# Altium PCB HIVE_SIGHT.PcbDoc (part 2 of 4) (continued)
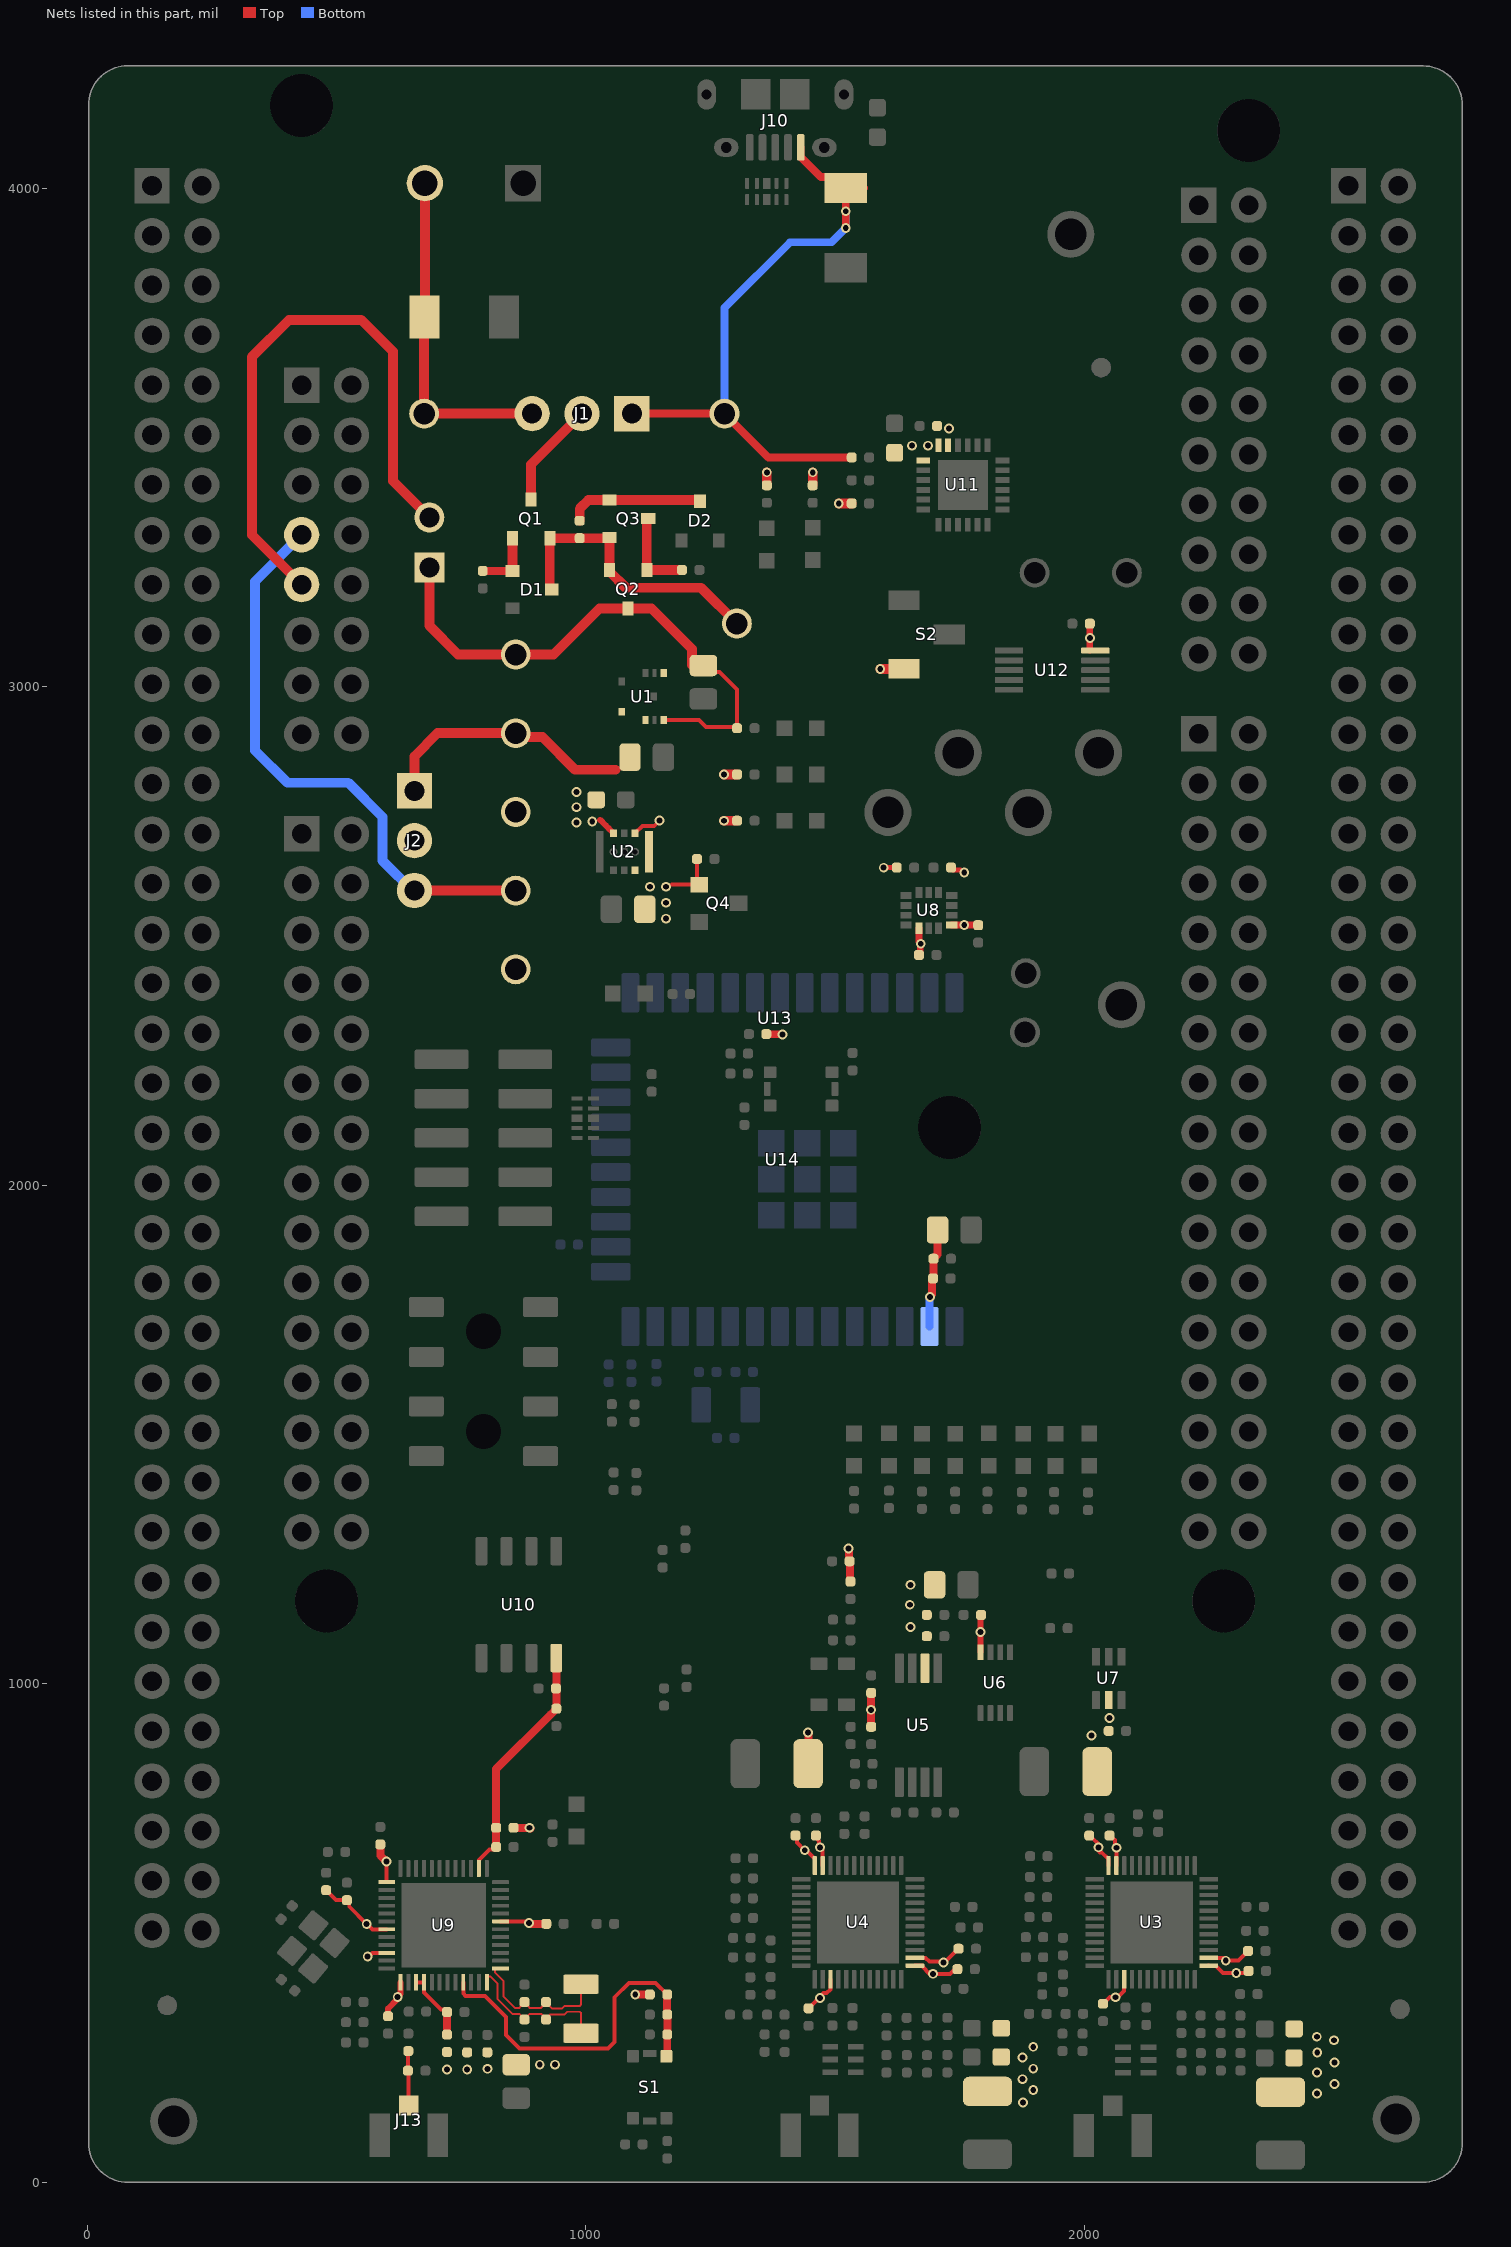
[diagram p4: the nets of this part, all layers, seen from the top]
## Part data (continued)
Q4: library part TRX_NMOS_BSS138LT1G, "TRX - NMOS - 50V 200MA - SOT−23-3", Current Rating=200mA, Manufacturer #1="ON Semiconductor", Package=SOT-23-3, Power Max=225mW, Supplier Part Number 1=BSS138LT1GOSCT-ND, Temperature="-55°C ~ 150°C", Voltage Rating=50V, Assembly Type=SMD, CreatedBy/Date="Joel Lemay 2018-06-15", GRAMS Lib Spec=2.8, HelpURL=http://www.onsemi.com/pub/Collateral/BSS138LT1-D.PDF, Magnetic Material=Unknown, Part Number #1=BSS138LT1G, Polarized=Yes, Supplier 1=Digi-Key, VerifiedBy="Caroline Paulin - 6 sept 2018"
R1 R4 R5 R27 R28 R38 R40 R46: library part RES_RC0402FR-071KL, "RES - 1K OHM 1% 1/16W - 0402", Manufacturer #1=Yageo, Package=0402, Power Max=1/16W, Supplier Part Number 1=311-1.00KLRCT-ND, Temperature="-55°C ~ 155°C", Tolerance=1%, Voltage Rating=50V, Assembly Type=SMD, CreatedBy/Date="Jonathan Bouchard 2018-07-05", Cryo=UNKNOWN, GRAMS Lib Spec=2.8, HelpURL=http://www.yageo.com/documents/recent/PYu-RC_Group_51_RoHS_L_9.pdf, Magnetic Material=YES, Part Number #1=RC0402FR-071KL, Polarized=NO, Supplier 1=Digi-Key, VerifiedBy="Arnaud Samson 16-07-18"
R2: library part RES_ERJ-2RKF4020X, "RES - 402R 1% 1/10W - 0402", Manufacturer #1="Panasonic Electronic Components", Package=0402, Power Max=1/10W, Supplier Part Number 1=P402LCT-ND, Temperature="-55°C ~ 155°C", Tolerance=1%, Voltage Rating=50V, Assembly Type=SMD, CreatedBy/Date="Keven Deslandes 2018-09-20", GRAMS Lib Spec=2.8, HelpURL=https://industrial.panasonic.com/ww/products/resistors/chip-resistors/general-purpose-chip-resistors/precision-thick-film-chip-resistors/ERJ2RKF4020X, Magnetic Material=Unknown, Part Number #1=ERJ-2RKF4020X, Polarized=No, Supplier 1=Digi-Key, VerifiedBy="Caroline Paulin - 18/12/2018"
R3 R6 R8 R9 R11 R13 R15 R16 R18 R20 R30 R39 R43 R44 R47 R53: library part RES_RC0402FR-07150RL, "RES - 150R 1% 1/16W - 0402", Manufacturer #1=Yageo, Package=0402, Power Max=1/16W, Supplier Part Number 1=311-150LRCT-ND, Temperature="-55°C ~ 155°C", Tolerance=1%, Voltage Rating=50V, Assembly Type=SMD, CreatedBy/Date="Jonathan Bouchard 2019-03-25", Cryo=UNKNOWN, GRAMS Lib Spec=2.8, HelpURL=http://www.yageo.com/documents/recent/PYu-RC_Group_51_RoHS_L_10.pdf, Magnetic Material=Unknown, Part Number #1=RC0402FR-07150RL, Polarized=No, Supplier 1=Digi-Key, VerifiedBy="Nicolas V. (2019-05-02)"
R7 R25 R32 R35 R37 R41 R45 R52: library part RES_RC0402FR-0710KL, "RES - 10K OHMS 1% 1/16W - 0402", Manufacturer #1=Yageo, Package=0402, Power Max=1/16W, Supplier Part Number 1=311-10.0KLRCT-ND, Temperature="-55°C ~ 155°C", Tolerance=1%, Voltage Rating=50V, Assembly Type=SMD, CreatedBy/Date="Nicolas V. (2018-11-20)", Cryo=UNKNOWN, GRAMS Lib Spec=2.8, HelpURL=http://www.yageo.com/documents/recent/PYu-RC_Group_51_RoHS_L_9.pdf, Magnetic Material=UNKNOWN, Part Number #1=RC0402FR-0710KL, Polarized=NO, Supplier 1=Digi-Key, VerifiedBy="Nicolas V. (2018-11-20)"
R10 R17: library part RES_RC0402FR-0716KL, "RES - 16k OHM 1% 1/16W - 0402", Manufacturer #1=Yageo, Package=0402, Power Max=1/16W, Supplier Part Number 1=311-16.0KLRCT-ND, Temperature="-55°C ~ 155°C", Tolerance=1%, Voltage Rating=50V, Assembly Type=SMD, CreatedBy/Date="Nicolas Roy/18 oct. 2018", Cryo=UNKNOWN, GRAMS Lib Spec=2.8, HelpURL=http://www.yageo.com/documents/recent/PYu-RC_Group_51_RoHS_L_9.pdf, Magnetic Material=Unknown, Part Number #1=RC0402FR-0716KL, Polarized=NO, Supplier 1=Digi-Key, VerifiedBy="Caroline Paulin - 18/12/2018"
R12 R19: library part RES_RC0402FR-07270RL, "RES - 270R 1% 1/16W - 0402", Manufacturer #1=Yageo, Package=0402, Power Max=1/16W, Supplier Part Number 1=311-270LRCT-ND, Temperature="-55°C ~ 155°C", Tolerance=1%, Voltage Rating=50V, Assembly Type=SMD, CreatedBy/Date="Philippe Arsenault 2020-07-24", GRAMS Lib Spec=2.8c, HelpURL=https://www.yageo.com/upload/media/product/productsearch/datasheet/rchip/PYu-RC_Group_51_RoHS_L_10.pdf, Magnetic Material=Unknown, Part Number #1=RC0402FR-07270RL, Polarized=No, Supplier 1=Digi-Key, VerifiedBy="Louis-Daniel Gaulin / 03-10-2020"
R14 R21: library part RES_RC0402FR-0711KL, "RES - 11K 1% 1/16W - 0402", Manufacturer #1=Yageo, Package=0402, Power Max=1/16W, Supplier Part Number 1=311-11.0KLRCT-ND, Temperature="-55°C ~ 155°C", Tolerance=1%, Voltage Rating=50V, Assembly Type=SMD, CreatedBy/Date="Keven Deslandes 2018-10-15", Cryo=UNKNOWN, GRAMS Lib Spec=2.8, HelpURL=http://www.yageo.com/documents/recent/PYu-RC_Group_51_RoHS_L_9.pdf, Magnetic Material=Unknown, Part Number #1=RC0402FR-0711KL, Polarized=No, Supplier 1=Digi-Key, VerifiedBy="Carolilne Paulin - 18/12/2018"
R22 R24 R31 R42: library part RES_RC0402FR-0720KL, "RES - 20K 1% 1/16W  - 0402", Manufacturer #1=Yageo, Package=0402, Power Max=1/16W, Supplier Part Number 1=311-20.0KLRCT-ND, Temperature="-55°C ~ 155°C", Tolerance=1%, Voltage Rating=50V, Assembly Type=SMD, CreatedBy/Date="Keven Deslandes 2018-10-18", Cryo=UNKNOWN, GRAMS Lib Spec=2.8, HelpURL=http://www.yageo.com/documents/recent/PYu-RC_Group_51_RoHS_L_10.pdf, Magnetic Material=Unknown, Part Number #1=RC0402FR-0720KL, Polarized=No, Supplier 1=Digi-Key, VerifiedBy="Caroline Paulin - 7 janv 2019"
R23 R26 R55 R56 R57 R58 R59 R60 R61 R62: library part RES_RC0402FR-070RL, "RES - 0R 1/16W 1A  - 0402", Current Rating=1A, Manufacturer #1=Yageo, Package=0402, Power Max=1/16W, Supplier Part Number 1=311-0.0LRCT-ND, Temperature="-55°C ~ 155°C", Voltage Rating=50V, Assembly Type=SMD, CreatedBy/Date="Keven Deslandes 2018-09-12", Cryo=UNKNOWN, GRAMS Lib Spec=2.8, HelpURL=http://www.yageo.com/documents/recent/PYu-RC_Group_51_RoHS_L_10.pdf, Magnetic Material=Unknown, Part Number #1=RC0402FR-070RL, Polarized=No, Supplier 1=Digi-Key, VerifiedBy="Caroline Paulin - 27 fév 2019"
R29: library part RES_RC0603JR-070RL, "RES - 0 ohm jumper 1/10W - 0603", Manufacturer #1=Yageo, Package=0603, Power Max=1/10W, Supplier Part Number 1=311-0.0GRCT-ND, Temperature="-55°C ~ 155°C", Voltage Rating=-, Assembly Note=DNI, Assembly Type=SMD, CreatedBy/Date="L-P Gauthier 2018-10-30", GRAMS Lib Spec=2.8, HelpURL=http://www.yageo.com/documents/recent/PYu-RC_Group_51_RoHS_L_9.pdf, Magnetic Material=Unknown, Part Number #1=RC0603JR-070RL, Polarized=No, Supplier 1=Digi-Key, VerifiedBy="Caroline Paulin  - 5/11/2018"
R33 R36 R54: library part RES_RC0402FR-076R2L, "RES - 6.2R 1% 1/16W - 0402", Manufacturer #1=Yageo, Package=0402, Part Number #1=RC0402JR-076R2L, Power Max=1/16W, Supplier Part Number 1=13-RC0402FR-076R2LCT-ND, Temperature="-55°C ~ 155°C", Tolerance=1%, Voltage Rating=50V, Assembly Type=SMD, CreatedBy/Date="Hubert Dubé 04/10/2020", GRAMS Lib Spec=2.8c, HelpURL=https://www.yageo.com/upload/media/product/productsearch/datasheet/rchip/PYu-RC_Group_51_RoHS_L_11.pdf, Magnetic Material=Unknown, Polarized=No, Supplier 1=Digi-Key, VerifiedBy="Louis-Daniel Gaulin - 09/11/2020"
R34: library part RES_RC0402FR-07499RL, "RES - 499 OHM 1% 1/16W - 0402", Manufacturer #1=Yageo, Package=0402, Power Max=1/16W, Supplier Part Number 1=311-499LRCT-ND, Temperature="-55°C ~ 155°C", Tolerance=1%, Voltage Rating=50V, Assembly Type=SMD, CreatedBy/Date="Nicolas Roy/05 dec. 2018", Cryo=UNKNOWN, GRAMS Lib Spec=2.8, HelpURL=http://www.yageo.com/documents/recent/PYu-RC_Group_51_RoHS_L_10.pdf, Magnetic Material=Unknown, Part Number #1=RC0402FR-07499RL, Polarized=NO, Supplier 1=Digi-Key, VerifiedBy="Charles Richard 14-01-2019"
R48 R49 R50 R51: library part RES_NOMAG_PNM0402E1000BST1, "RES - 100 OHM 0.1% 1/20W NON-MAG - 0402", Manufacturer #1="Vishay Dale", Package=0402, Power Max=1/20W, Supplier Part Number 1=541-1899-1-ND, Temperature="-55°C ~ 155°C", Tolerance=0.1%, Voltage Rating=75V, Assembly Type=SMD, CreatedBy/Date="Jonathan Bouchard 2018-04-3", Cryo=UNKNOWN, GRAMS Lib Spec=2.8, HelpURL=http://www.vishay.com/docs/60057/pnm.pdf, Magnetic Material=NO, Part Number #1=PNM0402E1000BST1, Polarized=No, Supplier 1=Digi-Key, VerifiedBy="Arnaud Samson 17-07-18"
S1 S3: library part SWI_TACT_435171014816, "SWI - SWITCH TACTILE SPST-NO 0.05A 12V -SMD", Current Rating=50mA, Manufacturer #1="Würth Elektronik", Package=SMD, Supplier Part Number 1=732-435171014816CT-ND, Temperature="-40°C ~ 85°C", Voltage Rating=12VDC, Assembly Type=SMD, CreatedBy/Date="Hubert Dube - 22/07/20", Cryo=UNKNOWN, GRAMS Lib Spec=2.8, HelpURL=https://www.we-online.com/catalog/datasheet/435171014816.pdf, Magnetic Material=UNKNOWN, Part Number #1=435171014816, Polarized=No, Supplier 1=Digi-Key, VerifiedBy="Louis-Daniel Gaulin / 12-11-2020"
S2: library part SWI_SPDT_CJS-1200TA, "SWI - SLIDE SPDT 100MA 6V - SMD", Current Rating=100mA, Manufacturer #1="Nidec Copal Electronics", Manufacturer #2=-, Package=SMD, Supplier Part Number 1=563-1021-1-ND, Temperature="-40°C ~ 85°C", Voltage Rating=6V, Assembly Type=SMD, CreatedBy/Date="Caroline Paulin - 15/11/2018", GRAMS Lib Spec=2.8, HelpURL=https://www.nidec-copal-electronics.com/e/catalog/switch/cjs.pdf, Magnetic Material=Unknown, Part Number #1=CJS-1200TA, Part Number #2=-, Polarized=yes, Power Max=-, Supplier 1=Digi-Key, Tolerance=-, VerifiedBy="Nicolas V. (2018-11-16)"
T1 T2: library part XFR_HHM1595A1, "XFR - Imp Unbalaced/Balanced 50/100 3-8GHz  -SMD", Manufacturer #1=TDK, Package=0805, Supplier Part Number 1=445-3387-1-ND, Temperature="-40°C ~ 85°C", Assembly Type=MT, CreatedBy/Date="Philippe Arsenault/2020-21-07", GRAMS Lib Spec=2.8, HelpURL=https://product.tdk.com/info/en/documents/data_sheet/rf_balun_hhm1595a1_en.pdf, Magnetic Material=Unknown, Part Number #1=HHM1595A1, Polarized=Yes, Supplier 1=Digi-Key, VerifiedBy="Louis-Daniel Gaulin / 03-10-2020"
TP1 TP2 TP3 TP4 TP5 TP6 TP7 TP8 TP9 TP10 TP17 TP18: library part TPO_TH_ROUND_100MIL, "TPO - TEST POINT ROUND TH  - 100MIL", Package="100 MIL round", Assembly Type=NONE, CreatedBy/Date="Louis-Daniel Gaulin/ 14/01/2020", Cryo=UNKNOWN, GRAMS Lib Spec=2.8c, Magnetic Material=NO, VerifiedBy="C.Paulin - 21/01/2020"
TP11 TP12 TP13 TP14 TP15 TP16 TP19 TP20: library part TPO_5011, "TPO - TEST POINT - TH", Manufacturer #1="Keystone Electronics", Assembly Type=TH, CreatedBy/Date="Louis-Daniel Gauli / 02-11-2020", Cryo=UNKNOWN, GRAMS Lib Spec=2.8, HelpURL=https://www.keyelco.com/userAssets/file/M65p56.pdf, Magnetic Material=UNKNOWN, Part Number #1=5011, Polarized=No, Supplier 1=Digi-Key, VerifiedBy="Philippe Arsenault/2020-11-06"
U1: library part REG_SWR_XCL214B333DR, "REG_DC DC CONVERTER 3.3V 5W_9-PowerTFQFN", Current Rating=1.5A, Manufacturer #1="Torex Semiconductor Ltd", Package=9-PowerTFQFN, Supplier Part Number 1=893-1218-1-ND, Temperature="-40°C ~ 105°C", Voltage Rating="2.7V to 5.5V IN", Assembly Type=SMD, CreatedBy/Date="Louis-Daniel Gaulin / 21-07-2020", Cryo=UNKNOWN, GRAMS Lib Spec=2.8, HelpURL=https://www.torexsemi.com/file/xcl213/XCL213-XCL214.pdf, Magnetic Material=Unknown, Part Number #1=XCL214B333DR, Polarized=Yes, Supplier 1=Digi-Key, VerifiedBy="Philippe Arsenault/2020-11-06"
U2: library part REG_SWR_MYRGP180100W21RA, "REG_DC DC CONVERTER 1.8V 1.8W_8-PowerTDFN", Current Rating=1A, Manufacturer #1="Murata Power Solutions Inc.", Package=8-PowerTDFN, Supplier Part Number 1=811-MYRGP180100W21RACT-ND, Temperature=-40°C~105°C, Voltage Rating="2.5V to 5.5V IN", Assembly Type=SMD, CreatedBy/Date="Louis-Daniel Gaulin / 21-07-2020", Cryo=UNKNOWN, GRAMS Lib Spec=2.8, HelpURL=https://www.murata.com/products/productdata/8807036026910/MYRGP-b-w.pdf?1583754814000, Magnetic Material=Unknown, Part Number #1=MYRGP180100W21RA, Polarized=Yes, Supplier 1=Digi-Key, VerifiedBy="Philippe Arsenault/2020-11-06"
U3 U4: library part COM_XCV_DW1000-I-TR13, "COM - IC RF TxRx 802.15.4 IR-UWB DECAWAVE - 48-VFQFN EP", Current Rating="Rx 64mA/Tx 31mA", Manufacturer #1=Decawave, Manufacturer #2=Qorvo, Package="QFN 48", Supplier Part Number 1=1479-1001-1-ND, Temperature="-40°C ~ 85°C", Voltage Rating="2.8 - 3.6 V", Assembly Type=SMT, CreatedBy/Date="Philippe Arsenault/13-07-2020", Cryo=No, GRAMS Lib Spec=2.8, HelpURL=https://www.decawave.com/sites/default/files/resources/DW1000-Datasheet-V2.12.pdf, Magnetic Material=Unknown, Part Number #1=DW1000-I-TR13, Polarized=Yes, Supplier 1=Digi-Key
U5: library part COM_BUF_LMK1C1102PWR, "COM - BUF - Clock buffer 3V3, 2V5, 1V8 2 Channel - TSSOP 8", Current Rating="Input +-20mA ; Output +- 50mA", Manufacturer #1="Texas Instruments", Package="TSSOP 8 pin", Power Max=132mW, Temperature="–40°C to 125°C", Voltage Rating="1.71V ~ 1.89V, 2.375V ~ 2.625V, 3.135V ~ 3.465V", Assembly Type=SMT, CreatedBy/Date="Philippe Arsenault/20-07-2020", Cryo=No, GRAMS Lib Spec=2.8, HelpURL=https://www.ti.com/lit/ds/symlink/lmk1c1102.pdf?ts=1595262014854&ref_url=https%253A%252F%252Fwww.ti.com%252Fproduct%252FLMK1C1102%253Futm_source%253Dgoogle%2526utm_medium%253Dcpc%2526utm_campaign%253Dasc-null-null-GPN_EN-cpc-pf-google-wwe%2526utm_content%253DLMK1C1102%2526ds_k%253DLMK1C1102%2526DCM%253Dyes%2526gclid%253DCjwKCAjwgdX4BRB_EiwAg8O8HUIvo-ksMfq8YInqTklLXWuMoCGXxsnhq04Fqr4kdDFQPSc0fYG9iRoCPvAQAvD_BwE%2526gclsrc%253Daw.ds, Magnetic Material=Unknown, Part Number #1=LMK1C1102PWR, Polarized=Yes, VerifiedBy="Louis-Daniel Gaulin / 23-07-2020"
U6: library part LOG_NAND_SN74LVC2G00DCUR, "LOG_NAND - GATE NAND 2CH 2-INP - 8-VSSOP", Current Rating=+-100mA, Manufacturer #1="Texas Instruments", Package=8-VSSOP, Supplier Part Number 1=296-13258-1-ND, Temperature="-40°C ~ 125°C", Voltage Rating="1.65V ~ 5.5V", Assembly Type=SMD, CreatedBy/Date="Philippe Arsenault/21-07-2020", Cryo=No, GRAMS Lib Spec=2.8, HelpURL=https://www.ti.com/lit/ds/symlink/sn74lvc2g00.pdf?HQS=TI-null-null-alldatasheets-df-pf-SEP-wwe, Magnetic Material=Unknown, Part Number #1=SN74LVC2G00DCUR, Polarized=Yes, Supplier 1=Digi-key, VerifiedBy="Louis-Daniel Gaulin / 23-07-2020"
U7: library part LOG_FLIPFLOP_SN74LVC1G175DCKT, "LOG_FLIPFLOP - Single D flip-flop with Asynchronous clear - SOT-363", Current Rating=100mA, Manufacturer #1="Texas Instruments", Package=SOT-363, Part Number #1=SN74LVC1G175DCKR, Supplier Part Number 1=296-16998-1-ND, Temperature="-40°C ~ 125°C", Voltage Rating="1.65V ~ 5.5V", Assembly Type=SMD, CreatedBy/Date="Philippe Arsenault/21-07-2020", Cryo=No, GRAMS Lib Spec=2.8, HelpURL=https://www.ti.com/lit/ds/symlink/sn74lvc1g175.pdf?ts=1594769483993&ref_url=https%253A%252F%252Fwww.google.com%252F, Magnetic Material=Unknown, Polarized=Yes, Supplier 1=Digi-Key, VerifiedBy="Louis-Daniel Gaulin / 03-10-2020"
U8: library part SEN_IMU_LSM6DSMTR, "SEN_IMU -  ACCEL/GYRO 6 Axis I2C/SPI - 14-VFLGA", Current Rating=0.65mA, Manufacturer #1=STMicroelectronics, Manufacturer #2=-, Package=14-VFLGA, Power Max=3mW, Supplier Part Number 1=497-16696-1-ND, Temperature="-40°C ~ 85°C (TA)", Voltage Rating="1.71V ~ 3.6V", Assembly Type=SMD, CreatedBy/Date="Louis-Daniel Gaulin / 06-10-2020", GRAMS Lib Spec=2.7c, HelpURL=https://www.st.com/content/ccc/resource/technical/document/datasheet/76/27/cf/88/c5/03/42/6b/DM00218116.pdf/files/DM00218116.pdf/jcr:content/translations/en.DM00218116.pdf, Magnetic Material=Unknown, Note=-, Part Number #1=LSM6DSMTR, Part Number #2=-, Polarized=YES, Supplier 1=Digi-Key, Tolerance=-, VerifiedBy="Philippe Arsenault/2020-11-06"
U9: library part COM_WIFI_ESP32-D0WDQ6-V3, "COM_WIFI - IC RF TxRx + MCU, WiFi 802.11b/g/n, Bluetooth 4.2 2.4GHz - 48-VFQFN Exposed Pad", Current Rating="Rx 100mA/Tx 240mA", Manufacturer #1="Espressif Systems", Package="48-VFQFN 6x6", Power Max=900mW, Supplier Part Number 1=1904-ESP32-D0WDQ6-V3CT-ND, Temperature="-40°C ~ 125°C", Voltage Rating=2.3-3.63, Assembly Type=SMD, CreatedBy/Date="Louis-Daniel Gaulin / 10-12-2020", Cryo=No, GRAMS Lib Spec=2.8, HelpURL=https://www.espressif.com/sites/default/files/documentation/esp32_datasheet_en.pdf, Magnetic Material=Unknown, Part Number #1=ESP32-D0WDQ6-V3, Polarized=Yes, Supplier 1=Digi-Key, VerifiedBy="Hubert Dube - 14/12/2020"
U10: library part MEM_FLASH_MX25L3233FM1I-08Q, "MEM - EFLASH 32Mb SPI 133MHZ - 8-SOIC", Manufacturer #1=Macronix, Package=8-WSON, Supplier Part Number 1=1092-1221-ND, Temperature="-40°C ~ 85°C", Voltage Rating="2.65V ~ 3.6V", Assembly Type=SMD, CreatedBy/Date="Hubert Dube - 22/07/01", Cryo=UNKNOWN, GRAMS Lib Spec=2.8, HelpURL=https://www.macronix.com/Lists/Datasheet/Attachments/7426/MX25L3233F,%203V,%2032Mb,%20v1.6.pdf, Magnetic Material=UNKNOWN, Part Number #1=MX25L3233FM1I-08Q, Polarized=YES, Supplier 1=Digi-Key
U11: library part COM_XCV_CP2102N-A02-GQFN24R, "COM_XCV - IC USB TO UART BRIDGE - 24-QFN (4x4)", Current Rating=9.5mA, Manufacturer #1="Silicon Labs", Manufacturer #2=-, Package="24-QFN (4x4)", Power Max=35mW, Supplier Part Number 1=336-5888-1-ND, Temperature="-40°C ~ 85°C (TA)", Voltage Rating="3V ~ 3.6V", Assembly Type=SMD, CreatedBy/Date="Louis-Daniel Gaulin / 06-10-2020", GRAMS Lib Spec=2.8c, HelpURL=https://www.silabs.com/documents/public/data-sheets/cp2102n-datasheet.pdf, Magnetic Material=Unknown, Note=-, Part Number #1=CP2102N-A02-GQFN24R, Part Number #2=-, Polarized=YES, Supplier 1=Digi-Key, Tolerance=-, VerifiedBy="Philippe Arsenault/2020-11-06"
U12: library part LOG_MUX_TMUX154EDGSR, "LOG_MUX -  SWITCH SPDT DUAL 2:1 - 10-VSSOP", Current Rating=10uA, Manufacturer #1="Texas Instruments", Manufacturer #2=-, Package=10-VSSOP, Power Max=50uW, Supplier Part Number 1=296-48347-1-ND, Temperature="-40°C ~ 85°C", Voltage Rating="3V ~ 4.3V", Assembly Type=SMD, CreatedBy/Date="Louis-Daniel Gaulin / 06-10-2020", GRAMS Lib Spec=2.8C, HelpURL=https://www.ti.com/lit/ds/symlink/tmux154e.pdf?HQS=TI-null-null-digikeymode-df-pf-null-wwe&ts=1602037764538, Magnetic Material=Unknown, Note=-, Part Number #1=TMUX154EDGSR, Part Number #2=-, Polarized=YES, Supplier 1=Digi-Key, Tolerance=-, VerifiedBy="Philippe Arsenault/2020-11-06"
U13: library part MOD_NUCLEO_F429ZI, "MOD - F429ZI MCU Nucleo development board - MOD", Current Rating=800mA, Manufacturer #1=STMicroelectronics, Part Number #1=NUCLEO-F429ZI, Part Number #2=-, Power Max=9.6W, Supplier Part Number 1=497-16280-ND, Voltage Rating="3V3 ~ 12V", Assembly Type=TH, CreatedBy/Date="Louis-Daniel Gaulin", Cryo=UNKNOWN, GRAMS Lib Spec=2.8c, HelpURL=https://www.st.com/resource/en/user_manual/dm00244518-stm32-nucleo144-boards-mb1137-stmicroelectronics.pdf, Magnetic Material=Unknown, Parameter 1=-, Polarized=Yes, Supplier 1=Digi-Key, Tolerance=-
U14: library part COM_ESP32-WROOM-32U(8MB), "Bluetooth, WiFi 802.11b/g/n, Bluetooth v4.2  2.4GHz ~ 2.5GHz U.FL Surface Mount", Current Rating=1100mA, Manufacturer #1="Espressif Systems", Package="38-SMD MODULE", Part Number #1=1904-1027-1-ND, Power Max=3.96W, Temperature=-40~150C, Voltage Rating="-0.3 to 3.6V", Assembly Type=SMD, CreatedBy/Date="Hubert Dube -  12/12/20", GRAMS Lib Spec=2.7, HelpURL=https://www.espressif.com/sites/default/files/documentation/esp32-wroom-32d_esp32-wroom-32u_datasheet_en.pdf, Magnetic Material=Unknown, Note="Antenna not included", Polarized=Yes, Supplier 1=Digi-Key, Supplier Part Number 1=1904-1027-1-ND, VerifiedBy="Philippe Arsenault - 15/12/2020"
X1 X3: library part CRY_CM7V-T1A-32.768KHZ-12.5PF-20PPM-TA-QC, "CRY - 32.768KHZ tol:20ppm 12.5PF - 2-SMD", Manufacturer #1="Micro Crystal AG", Package="2-SMD, No Lead", Part Number #1=CM7V-T1A-32.768KHZ-12.5PF-20PPM-TA-QC, Supplier Part Number 1=2195-CM7V-T1A-32.768KHZ-12.5PF-20PPM-TA-QCCT-ND, Temperature="-40°C ~ 85°C", Tolerance=±20ppm, Assembly Type=SMD, CreatedBy/Date="Hubert Dube - 21/07/20", Cryo=UNKNOWN, GRAMS Lib Spec=2.8, HelpURL=https://www.microcrystal.com/fileadmin/Media/Products/32kHz/Datasheet/CM7V-T1A.pdf, Magnetic Material=Unknown, Polarized=No, Supplier 1=Digi-Key, VerifiedBy="Louis-Daniel Gaulin - 09/11/2020"
X2: library part "CRY_FA-20H 40.0000MF10Z-K3", "CRY - 40MKHZ 10ppm 10PF - 4-SMD", Manufacturer #1=EPSON, Package="4 - SMD, No Lead", Supplier Part Number 1=SER4045CT-ND, Temperature="-20°C ~ 75°C", Tolerance=±10ppm, Assembly Type=SMD, CreatedBy/Date="Hubert Dube - 21/07/20", Cryo=UNKNOWN, GRAMS Lib Spec=2.8, HelpURL=https://support.epson.biz/td/api/doc_check.php?dl=brief_FA-20H&lang=en, Magnetic Material=Unknown, Part Number #1="FA-20H 40.0000MF10Z-K3", Polarized=No, Supplier 1=Digi-Key, VerifiedBy="Louis-Daniel Gaulin - 09/11/2020"
Y1: library part OSC_ASTXR-12-38.400MHz-514054-T, "OSC - XTAL - ASTXR-12-38.400MHz-514054-T - 38.4MHz TXCO - Clipped sine - 3V3 +-0.5ppm UWB application", Current Rating=2mA, Manufacturer #1="Abracon LLC", Manufacturer #2=Rakon, Package=6-SMD, Supplier Part Number 1=535-13192-1-ND, Temperature="-40°C ~ 85°C", Voltage Rating=3.3V, Assembly Type=SMT, CreatedBy/Date="Philippe Arsenault/18-07-2020", Cryo=No, GRAMS Lib Spec=2.8, HelpURL=https://4donline.ihs.com/images/VipMasterIC/IC/ABRC/ABRC-S-A0001399357/ABRC-S-A0001399357-1.pdf?hkey=52A5661711E402568146F3353EA87419, Magnetic Material=Unknown, Part Number #1=ASTXR-12-38.400MHz-514054-T, Polarized=Yes, Supplier 1=Digi-Key, VerifiedBy="Louis-Daniel Gaulin / 03-10-2020"

## Via types
v1: diameter 19.68, hole 11.81, Top to Bottom, tented both sides, 346 vias
v2: diameter 19.68, hole 11.81, Top to Bottom, 18 vias
v3: diameter 19.68, hole 10, Top to Bottom, 16 vias
v4: diameter 15.75, hole 10, Top to Bottom, 12 vias
v5: diameter 20, hole 10, Top to Bottom, 4 vias

## Nets (pads, with @x,y where several pads share a name; then routed paths per layer and width w, separated by ;. In a path a pad name is that pad's centre, name@x,y a point inside that pad or via, vN(x,y) a via of type N, cw(c..) or ccw(c..) an arc to the next point about the centre after c; other vN are vias at no path point)
1V8: C4.2 C5.1 C26.1 C35.1 C56.1 Q4.1 R7.1 TP8.1 U2.3 U2.8 U3.26 U3.48 U4.26 U4.48 | length 455.4
  Top w8: 1173.05,2603.39 Q4.1@1227.33,2603.39 1222.83,2607.89 R7.1@1222.83,2654.64 ; C56.1@1420.53,695.8 1423.75,692.58 1423.75,681.56 v1(1438.98,666.34) ; v1@1441.22,666.75 1457.56,650.4 1458.91,650.4 1459.24,650.07 U4.48@1459.24,635.7 ; U4.26@1660.02,450.66 1660.35,450.33 1681.59,450.33 1689.01,442.91 1721.48,442.91 C35.1@1747.4,468.84 ; C26.1@2015.71,691.25 2028.08,678.88 v1(2028.08,672.28) ; v1@2026.96,678.91 2026.96,666.8 2031.43,662.33 2034.73,662.33 2048.33,648.73 U3.48@2048.33,635.7 ; U3.26@2249.12,450.66 2278.87,450.66 v1@2285.58,443.95 ; v1(2283.46,444.88) 2308.84,444.88 C5.1@2328.37,464.41
  other v1: 1717.52,440.94 1160.43,2535.12 1160.43,2567.11 1128.45,2599.09 1160.43,2599.09
3V3: C3.2 C17.1 C24.1 C25.1 C46.1 C52.1 C53.1 C67.2 C68.2 C69.2 C70.2 C71.1 C73.2 C77.1 C78.1 C79.2 C80.2 C81.2 C88.2 C89.2 C90.2 C91.2 C94.2 C100.2 C101.2 C102.1 C103.2 C104.2 C105.2 C106.2 C111.2 C112.2 C113.2 J2.2 L1.1 L2.1 L3.1 L4.1 L5.1 L6.1 R3.1 R6.1 R22.2 R25.2 R27.1 R28.1 R36.1 R37.2 R40.1 R43.1 R44.1 R45.2 S2.3 TP7.1 U2.4 U2.6 U3.15 U3.25 U3.47 U4.15 U4.25 U4.47 U5.6 U6.8 U7.5 U8.5 U8.8 U9.1 U9.19 U9.37 U9.43 U9.46 U11.5 U11.6 U11.7 U12.10 U14.2 | length 1978.4
  Top w8: C90.2@478.95,586.26 498.91,566.29 C89.2@520.48,566.29 525.25,561.53 525.25,553.32 v1(560.19,518.39) 561.18,518.39 571.69,507.87 U9.43@600.39,507.87 ; v1(562.17,453.21) 564.84,453.21 572.26,460.63 U9.46@600.39,460.63 ; U9.37@600.39,602.36 v1@600.39,644.36 ; U9.19@828.74,523.62 879.57,523.62 882.66,520.53 v1(885.82,520.53) ; U2.4@1098.67,2706.2 1098.67,2706.7 1113.43,2721.46 1137.06,2721.46 1147.45,2731.86 v1(1147.58,2731.86) ; C46.1@1446.63,349.35 1476.94,379.65 1482.54,379.65 1490.4,387.52 1490.4,407.02 U4.15@1490.73,407.35 ; C53.1@1465.55,687.35 1467.63,685.27 1467.63,674.1 1474.65,667.08 1474.65,636.03 U4.47@1474.98,635.7 ; U4.25@1660.02,434.91 1674.39,434.91 1674.72,434.58 1674.72,433.14 1689.35,418.51 v1(1696.13,418.51) 1730.27,418.51 C52.1@1740.21,428.45 ; C17.1@2037.3,358.47 2051.11,372.27 v1@2063.25,372.27 ; C25.1@2056.66,691.25 2061.42,686.48 2061.42,677.16 2064.08,674.5 v1(2064.08,671.34) U3.47@2064.08,635.7 ; v1(2062.52,371.54) 2064.75,373.77 2069.64,373.77 2079.5,383.63 2079.5,407.02 U3.15@2079.83,407.35 ; U3.25@2249.12,434.91 2249.45,434.58 2264.15,434.58 2278.3,420.43 v1(2304.54,420.43) 2325.46,420.43 C24.1@2329.4,424.37
  Top w10: v1(1597.33,2637.43) 1597.44,2637.54 1623.41,2637.54 R28.1@1623.52,2637.65 ; R27.1@1732.42,2637.65 1736.8,2633.27 1751.03,2633.27 1756.35,2627.95 v1(1758.97,2627.95) ; U12.10@2010.78,3073.93 2011.68,3073.02 U12.10@2021.93,3073.02
  Top w12: C91.2@603.1,333.58 603.1,349.03 620.89,366.82 620.89,370.84 627.95,377.9 U9.1@627.95,401.57 ; 1028.52,2733.29 1040.18,2721.63 1040.24,2721.63 1046.68,2715.19 1046.68,2715.13 1054.23,2707.59 1054.47,2707.59 1055.36,2706.7 U2.6@1055.36,2706.2 ; v1(1791.53,1104.02) 1791.61,1103.94 1791.61,1063.76 U6.8@1791.68,1063.68 ; v1@1791.76,1104.02 1791.76,1137.59 C70.2@1792.71,1138.54
  Top w13.78: C78.1@1668.06,2462.47 1670.66,2465.07 1670.66,2483.67 v1(1671.79,2484.8) ; v1@1668.12,2488.47 U8.5@1668.12,2515.82 ; U8.8@1733.58,2522.22 v1@1758.84,2522.22 ; v1(1758.84,2522.56) 1759.04,2522.36 1786.73,2522.36 C77.1@1786.93,2522.16 ; U12.10@2010.78,3073.93 C102.1@2010.78,3126.94
  Top w16: C88.2@587.6,678.15 587.6,656.02 v1(599.92,643.7) ; R36.1@854.15,711.51 v1(886.53,711.51) v1@888.38,709.65 ; v1(885.82,520.53) 886.82,520.53 888.52,518.83 C94.2@920.48,518.83 ; v1(1099.04,377.06) R37.2@1128.14,377.06 ; R45.2@1361.88,2303.64 1362.22,2303.3 1393.8,2303.3 v1(1394.14,2302.96) ; v1(1445.81,902.77) 1446.52,902.07 1446.52,840.82 C105.2@1447.72,839.61 ; v1(1527.05,1271.72) 1527.75,1271.01 1527.75,1247.19 1529.75,1245.19 1529.75,1206.4 L5.1@1530.66,1205.5 ; R22.2@1572.19,914.08 v1(1572.19,948.08) R25.2@1572.19,982.07 ; v1(1690.12,1776.3) 1690.12,1777.29 1694.5,1781.67 1694.5,1811.49 C113.2@1696.5,1813.49 1696.89,1813.88 1696.89,1852.64 C112.2@1697.28,1853.03 1705.55,1861.3 C111.2@1705.55,1910.58
  Top w19.68: v1(1277.23,2731.64) R6.1@1303.23,2731.64 ; v1(1277.23,2824.48) R3.1@1303.23,2824.48 ; R43.1@1362.91,3404.51 v1(1362.91,3430.51) ; R44.1@1455,3404.51 v1(1455,3430.51) ; v1(1507.1,3368.2) R40.1@1533.1,3368.2 ; v1(1590.42,3035.72) S2.3@1638.07,3035.72
  Bottom w16: U14.2@1689.28,1717.19 1689.7,1717.61 1689.7,1775.88 v1(1690.12,1776.3)
  other v1: 1876.6,160.37 2466.57,178.22 1897.44,185.5 2501.49,197.58 1875.6,207.15 2466.57,220.41 721.37,226.53 761.81,226.53 802.32,227.95 1897.44,228.24 907.48,236.22 937.99,236.22 2501.84,240.63 1875.6,250.54 2467.09,260.52 1897.44,272.08 2500.63,285.24 2466.22,292.33 1469.49,370.12 622.36,372.31 1469.49,672.24 2014.45,896.37 2050.14,931.86 1651.08,1114.4 1649.79,1158.82 1651.08,1198.82 981.3,2728.35 1012.8,2730.31 981.3,2758.86 981.26,2789.21 2011,3098 1654,3484 1686,3484 1728.35,3518.7
3V3_INT: C2.2 J2.1 TP5.1 U1.4 U1.9 | length 523.2
  Top w19.68: J2.1@656,2791.64 656,2860.86 702.46,2907.33 859.46,2907.33 TP5.1@859.25,2907.12 866.97,2899.4 912.68,2899.4 978.17,2833.91 1059.86,2833.91
3V3_NUC: J2.3 TP6.1 U13.CN8-7 | length 1171.4
  Top w19.68: J2.3@656,2591.64 TP6.1@866.52,2591.64
  Bottom w19.68: U13.CN8-7@429.63,3305.33 335.96,3211.65 335.96,2872.82 400.83,2807.95 523.24,2807.95 592.16,2739.04 592.16,2651.37 J2.3@656,2587.53
3V3_SDIO: C87.2 C93.2 R35.2 R36.2 U9.26 U10.8 | length 490.4
  Top w8: U9.26@785.43,629.92 785.5,629.98 785.5,647.17 806.54,668.22 814.32,668.22 C93.2@817.95,671.85
  Top w16: C93.2@819.78,671.9 819.78,744.69 819.78,829.33 928.8,938.35 929.3,938.35 938.67,947.73 938.67,948.35 R35.2@940.67,950.35 940.68,990.96 U10.8@940.69,1052.01
3V3_WIFI: C82.2 L6.2 U9.3 U9.4 | length 144
  Top w8: U9.3@659.45,401.57 U9.4@675.2,401.57 675.2,381.08 692.38,363.89 709.7,346.57 716.61,346.57 C82.2@721.37,341.81
  Top w16: L6.2@721.37,296.53 C82.2@721.37,341.81
5V_CONN: D14.2 J1.3 J9.2 TP1.1 | length 679.6
  Top w15.75: D14.2@675.5,3741.5 D14.2@676,3742 D14.2@676.98,3742.98
  Top w19.68: D14.2@675.5,3741.5 TP1.1@675.5,3548.3 J1.3@892.14,3548.3 ; D14.2@676.98,3742.98 J9.2@676.98,4010.59
5V_IN: J1.2 Q1.3 | length 214.7
  Top w19.68: Q1.3@890.13,3375.9 890.13,3446.28 J1.2@992.14,3548.3
5V_NUC: J5.2 U13.CN8-9 | length 1200.5
  Top w19.68: U13.CN8-9@429.63,3205.33 330.46,3304.5 330.46,3662.3 404.4,3736.24 549.44,3736.24 612.95,3672.72 612.95,3413.05 J5.2@686,3340
5V_OV_G1: D2.3 Q3.1 R1.2 | length 274.1
  Top w19.68: R1.2@987.46,3333.42 987.46,3357.46 1004.84,3374.84 Q3.1@1047.39,3374.84 1227.03,3374.84 1229,3372.87 D2.3@1229,3372.37
5V_OV_G2: Q2.1 Q3.3 R5.1 | length 173.2
  Top w19.68: Q3.3@1122.19,3337.44 Q2.1@1122.19,3234.65 R5.1@1192.57,3234.65
5V_POL: D1.3 Q1.2 Q2.2 Q3.2 R1.1 TP3.1 | length 590.2
  Top w19.68: D1.3@927.53,3195.42 Q1.2@927.53,3298.42 R1.1@987.46,3298.42 Q3.2@1047.39,3298.42 ; Q3.2@1047.39,3300.04 Q3.2@1047.39,3298.42 ; TP3.1@1302.91,3127.17 1231.11,3198.96 1079.83,3198.96 1047.39,3231.4 Q2.2@1047.39,3234.65 Q3.2@1047.39,3298.42
5V_POL_G: D1.1 Q1.1 R4.1 | length 125.3
  Top w15.75: R4.1@793.07,3232.82 D1.1@852.73,3232.82
  Top w19.68: D1.1@852.73,3232.82 Q1.1@852.73,3298.42
5V_PROT: C1.2 J5.1 Q2.3 R2.2 TP4.1 U1.1 U1.6 | length 1114.2
  Top w8: U1.6@1155.99,2933.38 1227.12,2933.38 1240.84,2919.66 1300.89,2919.66 R2.2@1303.23,2917.32 1303.23,2995.02 1268.12,3030.13 1249.57,3030.13 1235.6,3044.09 C1.2@1213,3044.09 ; C1.2@1235.6,3042.92 C1.2@1236.01,3042.92
  Top w19.68: J5.1@686,3240 686,3122.82 743.65,3065.17 859.25,3065.17 934.96,3065.17 1026.96,3157.17 Q2.3@1084.79,3157.17 1131.83,3157.17 1213,3076 C1.2@1213,3044.09
5V_USB: D15.2 J1.1 J10.1 R41.2 TP2.1 | length 1284.2
  Top w15.75: J1.1@1092.14,3548.3 TP2.1@1278.08,3548.3 1365.98,3460.39 R41.2@1533.19,3460.39 ; J10.1@1431.05,4082.27 1431.05,4063 1471.26,4022.8 1535.51,4022.8 D15.2@1557.55,4000.75 ; v1(1521.14,3920.75) v1(1521.14,3954.22) D15.2@1521.14,4000.75
  Bottom w15.75: TP2.1@1278.08,3548.3 1278.08,3760.68 1409.61,3892.21 1492.59,3892.21 v1(1521.14,3920.75) v1(1521.14,3954.22)
32K_X_N: C85.2 R33.2 U9.13 X1.1 | length 303
  Top w4: U9.13@828.74,429.13 819.2,429.13 817.26,427.2 817.26,421.54 834.49,404.31 834.49,373.43 857.58,350.34 866.62,350.34 C85.2@876.77,360.5 ; C85.2@876.77,361.84 C85.2@876.77,360.5 ; R33.2@920.08,361.84 R33.2@920.08,360.5 ; X1.1@990.16,397.64 990.16,356.77 987.81,354.43 957.17,354.43 951.28,348.53 932.04,348.53 R33.2@920.08,360.5 ; C85.2@876.77,360.5 886.93,350.34 909.92,350.34 R33.2@920.08,360.5
32K_X_P: C86.2 R33.1 U9.12 X1.2 | length 311.4
  Top w4: U9.12@801.18,401.57 801.18,411.12 803.12,413.05 808.77,413.05 822.49,399.34 822.49,368.46 852.6,338.34 866.62,338.34 C86.2@876.77,328.18 ; C86.2@876.77,326.84 C86.2@876.77,328.18 ; R33.1@920.08,326.84 R33.1@920.08,328.18 ; X1.2@990.16,299.21 990.16,340.08 987.81,342.43 962.14,342.43 956.25,336.53 928.43,336.53 R33.1@920.08,328.18 ; C86.2@876.77,328.18 886.93,338.34 909.92,338.34 R33.1@920.08,328.18
ANT_OUT: C98.2 J13.1 L7.1 | length 112.2
  Top w8: J13.1@643.77,151.96 643.77,223.49 C98.2@643,224.26 643.48,224.74 643.48,263.22 L7.1@643.77,263.51
CHIP_PU: C96.2 C97.2 R37.1 S1.4 U9.9 | length 738.2
  Top w8: U9.9@753.94,401.57 754,401.51 754,378.7 758.69,374.02 797.24,374.02 839.57,331.69 839.57,296.23 867.09,268.7 1044.29,268.7 1057.53,281.94 1057.53,371.5 1086.56,400.53 1139.68,400.53 R37.1@1163.14,377.06
  Top w16: S1.4@1161.42,252.95 1163.14,254.67 C97.2@1163.14,296.98 1163.57,297.41 1163.57,336.28 C96.2@1163.14,336.71 ; C96.2@1162.71,338.86 R37.1@1162.71,377.06